# KiCad board OpenPLC_Hardware.kicad_pcb (continued)
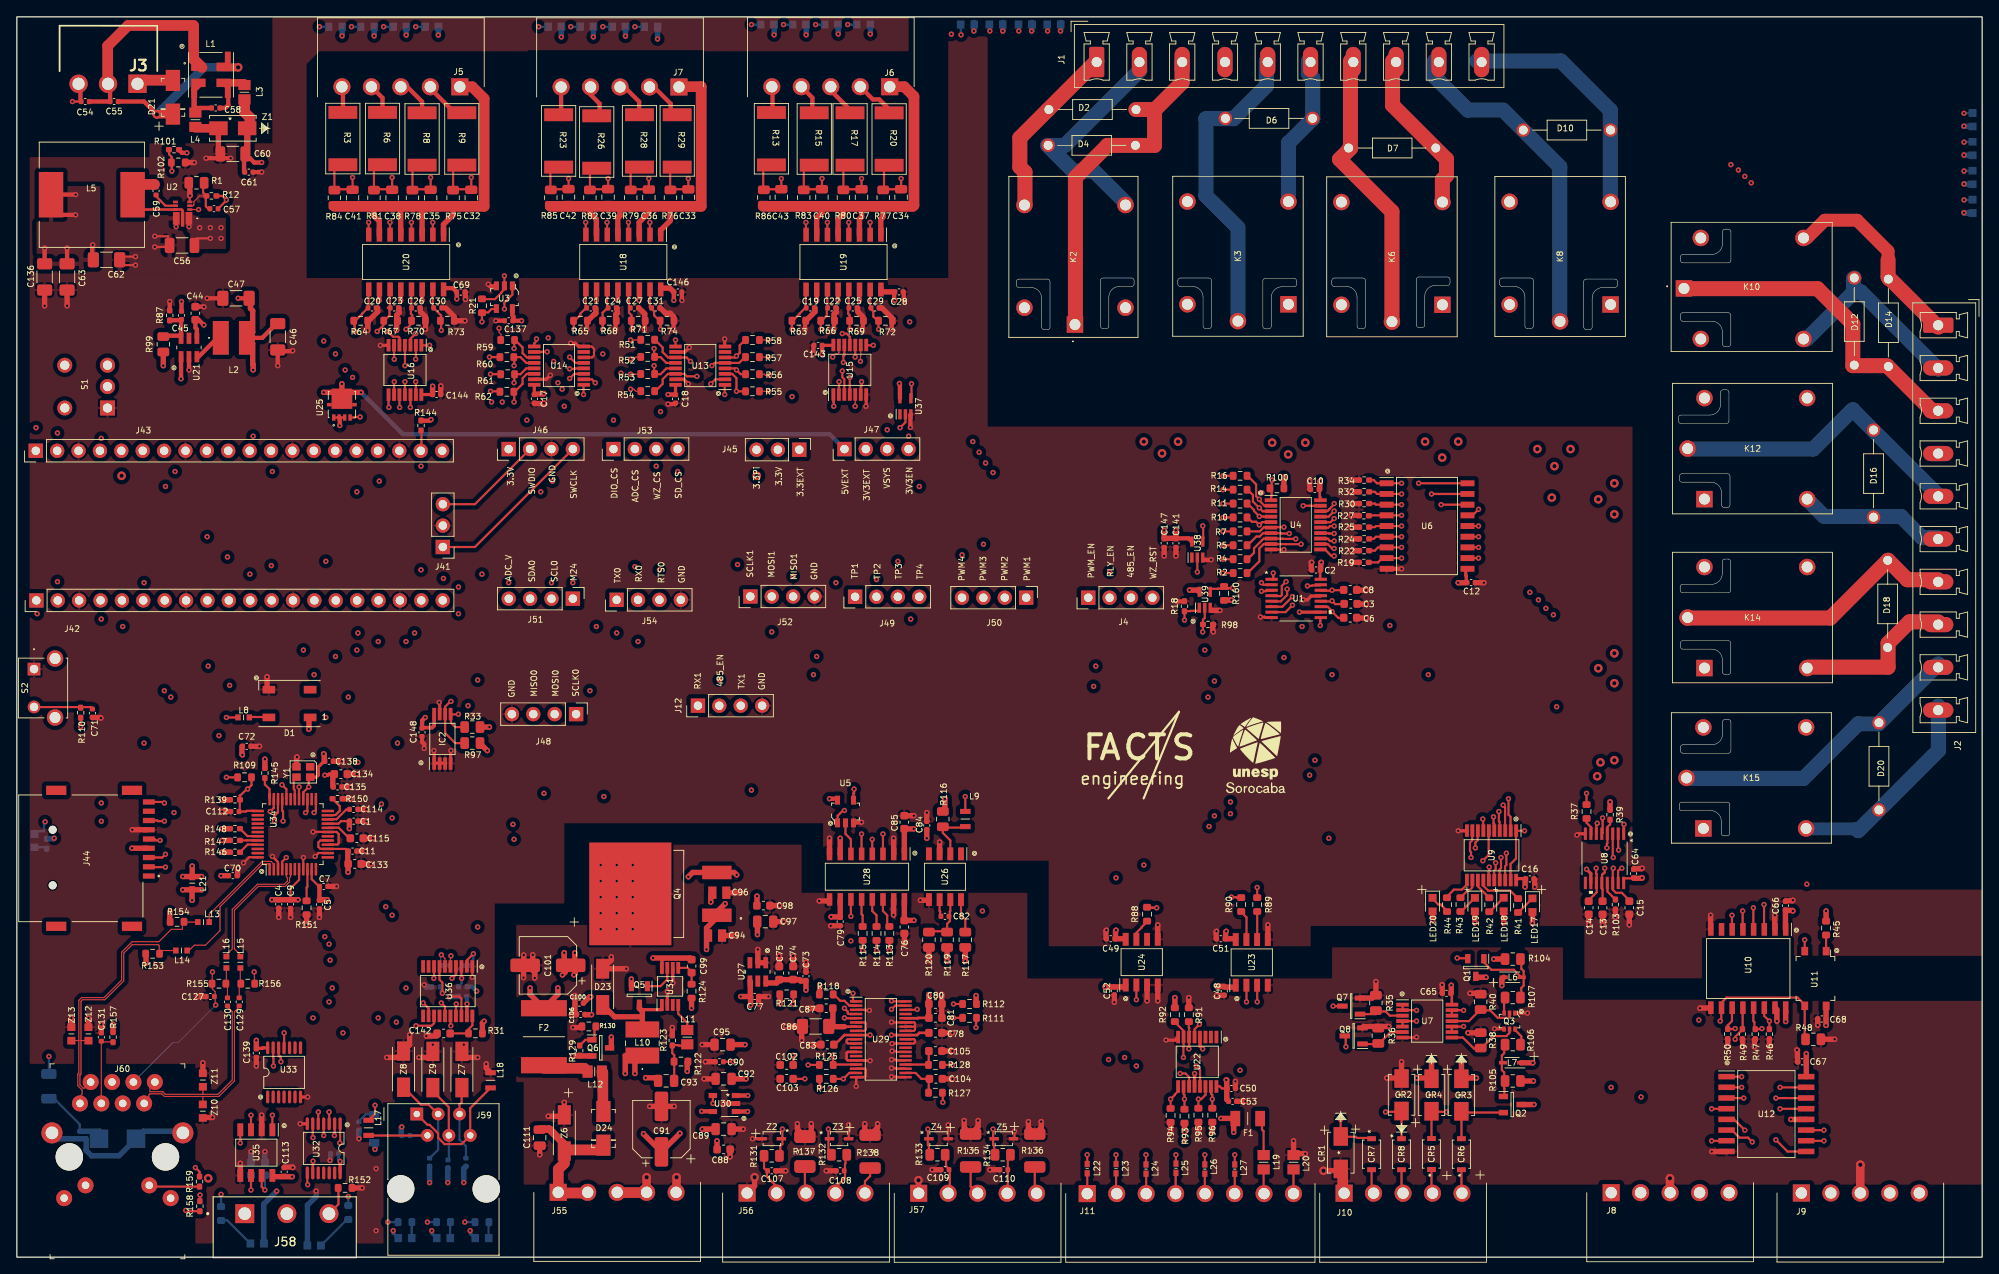
[diagram p0: board, top side]
## Routing (per net, layer and track width the routed paths; a pad name or vN(x,y) marks a point on that pad's centre or on a via; arc(x,y) is an arc through that point) (continued)
Net-(C59-Pad2): length 12.1
  Top w0.305: 13.64,125.19 13.64,124.43 19.55,124.43 19.68,124.3 19.68,123.27
  Top w1.27: 16.36,127.42 14.99,127.42 13.64,126.07 13.64,125.19
Net-(C71-Pad1): length 7
  Top w0.254: 8.97,65.24 8.87,65.34 2.05,65.34 S2.2
Net-(C82-Pad1): length 1.9
  Top w0.254: 109.66,40.48 109.66,41.06 109.6,41.12 109.6,42.31
Net-(C82-Pad2): length 5.9
  Top w0.254: 110.87,42.31 110.87,41.12 110.8,41.06 110.8,39.91 110.49,39.59 110.49,38.71 108.33,38.71
Net-(C86-Pad2): length 5.6
  Top w0.305: 98.3,27.38 99.71,27.38
  Top w0.635: 98.3,27.38 96.67,27.38 96.64,27.4 ; 96.64,27.4 96.92,27.4 96.92,29.56 ; 96.64,27.4 96.58,27.4
Net-(C90-Pad1): length 8
  Top w0.254: 84.01,23.21 v1(85.09,23.21) ; v1(82.67,18.26) 82.67,19.2
  In3.Cu w0.254: v1(85.09,23.21) 83.82,21.94 83.82,19.4 v1(82.67,18.26)
Net-(C93-Pad2): length 6.1
  Top w0.254: 79.63,25.12 78.61,25.12 78.55,25.18 77.85,25.18 77.85,24.23 78.08,24 78.08,20.96 C93.2
Net-(C99-Pad2): length 3.3
  Top w0.254: 80.14,32.39 80.14,33.89 79.67,34.36 U31.5
Net-(C100-Pad1): length 20.2
  Top w0.381: 76.62,33.79 76.62,35.28 76.78,35.44 80.14,35.44
  Top w0.635: v1(68.26,28.8) 67.53,28.8 67.51,28.82 ; 80.14,35.44 C99.1 79.95,35.53 v1(75.56,35.53) ; 65.02,35.7 v1(65.02,36.15) 65.02,34.88 ; v1(66.27,36.14) 66.27,34.87 66.06,34.66 66.02,34.66 ; C100.1 68.03,30.93 v1(68.17,30.93) ; v1(72.99,33.03) Q5.2 ; v1(64.8,33.52) 65.11,33.83 65.11,34.32 ; v1(80.13,29.56) R124.1 ; v1(70.61,26.13) 70.61,24.89 ; 66.33,34.28 66.33,33.69 v1(66.17,33.53)
Net-(C107-Pad1): length 5.1
  Top w0.254: 90.23,7.56 90.23,8.41 89.12,9.52 ; 89.09,9.56 89.09,10.26 89.06,10.26 88.75,10.57 R131.2
Net-(C108-Pad1): length 5.1
  Top w0.254: 98.42,12.16 98.42,11.15 98.36,11.08 98.36,9.43 97.23,8.3 97.23,7.56
Net-(C109-Pad1): length 4.9
  Top w0.254: 110.61,7.55 110.8,7.74 110.8,10.38 110.78,10.38 110.36,10.8 110.36,12.16
Net-(C110-Pad1): length 4.8
  Top w0.254: 117.61,7.55 117.7,7.64 117.7,11.75 118.11,12.16
Net-(C111-Pad1): length 18
  Top w0.889: 62.1,15.21 63.24,15.21 65.02,13.43 65.02,12.74
  Top w1.27: 69.72,12.85 69.6,12.74 65.02,12.74 65.02,11.15 64.31,10.44 64.31,7.62 67.72,7.62 J55.2
Net-(C114-Pad1): length 2.9
  Top w0.254: 39.43,53.18 39.4,53.16 39.11,53.16 37.97,52.01 37.01,52.01
Net-(C115-Pad1): length 3.1
  Top w0.254: 39.6,49.75 39.48,49.75 38.22,51.01 37.01,51.01
Net-(C116-Pad2): length 4.2
  Top w0.254: 50.2,34.51 50.2,32.95 50.54,32.61 v1(50.54,31.34)
  Bottom w0.254: 50.35,32.1 50.35,31.53 v1(50.54,31.34)
Net-(C117-Pad2): length 2.6
  Top w0.254: 52.8,34.51 52.8,33.12 v1(52.83,33.12)
  Bottom w0.254: 52.41,32.1 52.83,32.52 v1(52.83,33.12)
Net-(C119-Pad1): length 2.5
  Top w0.127: v1(51.56,35.78) 51.5,35.78 51.5,34.51
  Bottom w0.127: 51.5,34.64 51.5,35.72 v1(51.56,35.78)
Net-(C119-Pad2): length 2.9
  Top w0.127: 50.85,34.51 50.85,35.48 v1(50.42,35.91)
  Bottom w0.127: v1(50.42,35.91) 50.35,35.91 50.35,34.64
Net-(C120-Pad1): length 3.3
  Top w0.254: 53.45,34.51 53.45,35.27 v1(54.23,36.04)
  Bottom w0.254: 54.04,34.64 54.04,35.21 54.23,35.4 v1(54.23,36.04)
Net-(C120-Pad2): length 3.6
  Top w0.254: 52.15,34.51 52.15,33.59 v1(51.69,33.12)
  Bottom w0.254: 52.89,34.64 52.87,34.64 52.19,33.97 52.19,33.63 v1(51.69,33.12)
Net-(C121-Pad1): length 6.4
  Top w0.254: v1(27.81,7.97) 27.81,9.55
  In3.Cu w0.127: 27.08,5.17 27.08,7.24 v1(27.81,7.97)
  Bottom w0.127: v1(27.81,7.97) 27.81,9.72
Net-(C122-Pad1): length 23
  Top w0.254: 52.15,28.67 52.15,30.03 v1(52.19,30.07) ; 52.58,16.99 52.58,18.13 52.83,18.39 52.83,19.72
  In3.Cu w0.254: v1(52.19,30.07) 52.19,22.7 52.58,22.32 52.58,16.99
  Bottom w0.254: 52.58,16.99 52.58,13.94 53.34,13.18 C122.1
Net-(C123-Pad1): length 7.2
  Top w0.254: 29.08,9.55 29.08,8.35 v1(29.46,7.97)
  In2.Cu w0.127: v1(29.46,7.97) 32.08,5.35
  Bottom w0.254: v1(29.46,7.97) 29.46,9.72
Net-(C124-Pad1): length 23.4
  Top w0.254: v1(51.55,27.49) 51.5,27.53 51.5,28.67 ; 50.03,16.99 48.89,18.13 47.98,18.13 Z8.1
  In3.Cu w0.254: 50.03,16.99 50.03,21.56 51.56,23.08 51.56,27.48 v1(51.55,27.49)
  Bottom w0.254: 50.03,16.99 50.03,12.77 C124.1
Net-(C125-Pad1): length 30.9
  Top w0.254: v1(49.53,33.12) 49.55,33.14 49.55,34.51 ; 51.3,14.45 51.3,17.82 49.4,19.72
  In3.Cu w0.254: 51.3,14.45 50.29,15.46 50.03,15.46 49.02,16.48 49.02,21.56 50.16,22.7 50.16,29.56 49.53,30.2 v1(49.53,33.12)
  Bottom w0.254: C125.1 51.3,11.64 51.3,14.45
Net-(C126-Pad1): length 5.4
  Top w0.254: L17.2 42.54,17.02 v1(42.54,18.04)
  Bottom w0.254: v1(42.54,18.04) 42.54,17 42.53,16.99 41.46,16.99 40.64,16.16
Net-(C127-Pad1): length 24
  Top w0.127: v1(28.19,33.88) 28.22,33.85 28.22,32.48 ; v1(23.62,29.94) 23.56,30.01 23.56,31.53 23.21,31.87 23.21,33.85 v1(23.24,33.88)
  In2.Cu w0.127: v1(23.24,33.88) v1(28.19,33.88)
  Bottom w0.127: 13.84,20.8 18.54,25.5 19.17,25.5 v1(23.62,29.94)
Net-(C128-Pad1): length 9
  Top w0.254: 48.77,14.45 41.79,14.45 L17.1
  Bottom w0.254: 46.8,14.45 48.77,14.45
Net-(C129-Pad1): length 22.3
  Top w0.127: 26.41,29.75 26.41,29.73 25.84,29.16 25.84,20.94 23.99,19.08 22.1,19.08 ; 22.1,19.08 22.09,19.08 22.09,18.16 ; 22.1,19.08 17.53,19.08 17.22,19.4 15.81,19.4 15.68,19.27 15.68,18.83 15.1,18.26
Net-(C129-Pad2): length 3.6
  Top w0.127: 26.54,32.48 26.41,32.48 26.41,30.9 ; 26.54,32.48 26.54,34.24 ; 26.54,32.48 26.64,32.48
Net-(C130-Pad1): length 21.9
  Top w0.127: 22.1,19.34 17.64,19.34 17.32,19.66 15.81,19.66 15.81,20.22 16.38,20.8 ; 22.1,19.34 22.09,19.35 22.09,20.27 ; 22.1,19.34 23.88,19.34 25.59,21.04 25.59,29.16 25.02,29.73 25.02,29.75
Net-(C130-Pad2): length 3.5
  Top w0.127: 25.02,30.9 25.02,32.25 24.79,32.48 24.89,32.58 24.89,34.24
Net-(C131-Pad1): length 8.7
  Top w0.127: 11.43,25.56 10.03,25.56 10.03,18.26
Net-(C132-Pad1): length 8.9
  Bottom w0.254: 3.81,18.58 4.67,18.58 7.46,15.79 7.46,14.96
  Bottom w0.635: 7.46,14.96 7.46,14.96 9.84,14.96 9.84,14.07
Net-(C142-Pad2): length 4.5
  Top w0.254: 54.1,28.67 54.1,27.54 53.64,27.08 R31.2 51.47,26.58 C142.2
Net-(CR5-Pad1): length 3.5
  Top w0.254: 168.02,6.7 168.02,10.16
Net-(CR6-Pad1): length 3.4
  Top w0.254: 171.57,6.76 171.57,10.16
Net-(CR7-Pad2): length 3.4
  Top w0.254: 160.91,6.73 160.91,10.16
Net-(CR8-Pad2): length 3.5
  Top w0.254: 164.46,6.68 164.46,10.16
Net-(D1-Pad4): length 2.4
  Top w0.254: 30.06,64.16 27.76,64.16 27.71,64.11
Net-(D2-Pad1): length 20.9
  Top w1.778: 128.27,142.08 119.12,132.94 119.12,129.49 119.73,128.88 119.73,125.19
Net-(D2-Pad2): length 41.8
  Top w1.778: 125.73,110.99 125.73,128.24 129.54,132.05 135.12,132.05 135.12,136.24 138.39,139.51 138.39,142.08 ; 132.9,136.31 135.08,136.31
Net-(D4-Pad1): length 27.9
  Bottom w1.778: 131.72,125.19 127.91,129 125.47,129 122.43,132.05 124.48,132.05 133.37,140.94 133.37,142.06
Net-(D6-Pad1): length 18.2
  Bottom w1.778: 151.03,125.32 151.03,132.33 153.92,135.23 153.92,140.05 153.39,140.58 153.39,142.08
Net-(D6-Pad2): length 37.4
  Bottom w1.778: 145.03,111.12 145.03,122.27 141.22,126.08 141.22,135.23 144.52,135.23 148.39,139.1 148.39,142.08
Net-(D7-Pad1): length 19.6
  Top w1.778: 163.39,142.08 163.39,136.81 169.8,130.41 169.8,128.47 169.31,127.99 169.31,125.32
Net-(D7-Pad2): length 34.1
  Top w1.778: 163.32,111.12 163.32,124.18 157.1,130.4 158.39,131.7 158.39,142.08
Net-(D10-Pad1): length 29.2
  Bottom w1.778: 189.25,125.32 189.25,136.22 183.38,142.08 173.39,142.08
Net-(D10-Pad2): length 39.6
  Bottom w1.778: 183.26,111.12 183.26,129.51 176.53,136.24 172.34,136.24 168.39,140.18 168.39,142.08
Net-(D12-Pad1): length 23.4
  Bottom w1.778: 228.22,105.46 219.03,114.65 218.06,114.65 ; 212.59,109.04 218.06,114.5 ; D12.1 218.14,116.22 218.14,114.67
Net-(D12-Pad2): length 38.6
  Top w1.778: 222.25,105.76 227.55,100.46 228.22,100.46 ; 222.12,105.89 218.06,105.89 218.06,110.84 213.87,115.03 198.4,115.03
Net-(D14-Pad1): length 23.6
  Top w1.524: 212.59,121.03 214.73,123.16 218.56,123.16 222.25,119.48 222.25,118.46
  Top w1.778: 228.22,110.46 222.25,116.43 222.25,118.46
Net-(D16-Pad1): length 17.5
  Bottom w1.778: 212.62,90.01 214.65,87.98 223.77,87.98 226.29,85.46 228.22,85.46
Net-(D16-Pad2): length 36
  Bottom w1.524: 218.06,100.68 218.1,100.64 218.1,100.58
  Bottom w1.778: 198.4,95.98 213.36,95.98 218.06,100.68 ; 218.1,100.58 228.22,90.46
Net-(D18-Pad1): length 19.6
  Top w1.524: 212.59,69.92 212.75,70.07
  Top w1.778: 212.75,70.07 222.25,70.07 222.25,72.92 224.79,75.46 228.22,75.46
Net-(D18-Pad2): length 33.6
  Top w1.778: 228.22,80.46 224.53,80.46 222.25,82.77 215.39,75.92 198.4,75.92
Net-(D20-Pad1): length 25.1
  Bottom w1.524: 212.47,50.87 218.46,50.87 218.69,50.64
  Bottom w1.778: 218.69,50.64 228.22,60.17 228.22,65.46
Net-(D20-Pad2): length 35.6
  Bottom w1.778: 228.22,70.46 221.1,63.34 218.69,63.34 212.21,56.87 198.27,56.87
Net-(D21-PadA): length 3.8
  Top w1.27: 14.76,139.8 18.51,139.8 18.54,139.77
Net-(D23-Pad1): length 10.8
  Top w0.381: 74.29,29.19 74.49,29.39 76.62,29.39
  Top w0.635: D23.1 70.99,28.55 74.29,28.55 ; Q5.3 73.94,29.55 74.29,29.19 74.29,28.55 ; L10.2 74.29,28.55
Net-(D24-PadA): length 4.3
  Top w1.27: L12.2 69.59,21.94 69.59,19.98 ; 69.6,17.57 69.6,19.78
Net-(F1-Pad2): length 4.3
  Top w0.254: 147.89,16.48 147.89,15.15 148.08,14.96 148.08,12.29
Net-(F2-Pad2): length 5.3
  Top w1.27: 62.61,22.43 67.4,22.43 L12.1
Net-(J4-Pad1): length 121
  Top w0.254: 189.23,51.98 189.23,51.41 188.91,51.09 188.91,49.18 188.85,49.12 v1(188.85,48.61) ; v1(179.07,50.64) 178.06,50.64 178.06,47.35 177.41,46.7 177.41,44.8 ; 212.34,36.37 v1(212.34,37.69)
  In2.Cu w0.254: v1(155.83,49.75) 165.22,49.75 166.75,51.28 172.84,51.28 173.48,50.64 v1(179.07,50.64) 183.13,50.64 185.16,48.61 v1(188.85,48.61) 189.23,48.99 190.5,48.99 191.64,47.85 191.64,45.56 192.91,44.29 v1(212.59,44.29)
  In3.Cu w0.254: v1(212.59,44.29) 212.59,42.52 212.34,42.26 v1(212.34,37.69) ; J4.1 v1(155.83,49.75)
Net-(J5-Pad2): length 4.9
  Top w0.508: 52.83,136.05 51.88,136.05 49.11,138.82
Net-(J5-Pad3): length 4.4
  Top w0.508: J5.3 46.36,139.01 48.13,137.24 48.13,136.05
Net-(J5-Pad4): length 3.5
  Top w0.508: J5.4 43.43,137.69 43.43,136.05
Net-(J5-Pad5): length 2.8
  Top w0.508: 38.73,136.05 38.73,138.89
Net-(J6-Pad2): length 4.9
  Top w0.508: J6.2 101.68,137.51 102.42,137.51 103.88,136.05
Net-(J6-Pad3): length 4
  Top w0.508: 99.18,136.05 96.67,138.57 J6.3
Net-(J6-Pad4): length 3.5
  Top w0.508: 94.48,136.05 94.48,137.7 J6.4
Net-(J6-Pad5): length 3
  Top w0.508: J6.5 89.76,138.93 89.76,136.05
Net-(J7-Pad2): length 5.4
  Top w0.254: 77.66,135.92 78.61,135.92
  Top w0.508: J7.2 75.66,138.99 77.66,137 77.66,135.92
Net-(J7-Pad3): length 4.3
  Top w0.508: J7.3 72.16,138.99 73.91,137.24 73.91,135.92
Net-(J7-Pad4): length 3.5
  Top w0.508: J7.4 68.14,138.08 69.21,137 69.21,135.92
Net-(J7-Pad5): length 3.1
  Top w0.508: 64.51,135.92 64.64,136.05 J7.5
Net-(J8-Pad1): length 30.8
  Top w0.254: 203.07,20.16 v1(204.85,20.16)
  In2.Cu w0.254: v1(189.35,20.16) v1(204.85,20.16)
  In3.Cu w0.254: 189.35,6.66 v1(189.35,20.16)
Net-(J8-Pad2): length 26.7
  Top w0.254: 203.07,18.89 v1(205.1,18.89)
  In2.Cu w0.254: v1(205.1,18.89) 199.01,18.89 198.88,19.02 v1(192.91,19.02)
  In3.Cu w0.254: 192.85,6.66 192.85,14.52 192.91,14.58 v1(192.91,19.02)
Net-(J8-Pad4): length 21.2
  Top w0.254: v1(208.91,18.89) 212.47,18.89
  In3.Cu w0.254: 199.85,6.66 199.85,9.37 202.39,11.91 205.23,11.91 207.39,14.07 207.39,16.73 208.91,18.26 v1(208.91,18.89)
Net-(J8-Pad5): length 16.5
  Top w0.254: v1(209.42,17.62) 212.47,17.62
  In3.Cu w0.254: v1(209.42,17.62) 207.9,16.1 207.9,13.91 203.35,9.37 203.35,6.66
Net-(J9-Pad1): length 14
  Top w0.254: 203.07,15.08 203.7,15.08 204.59,14.19 205.61,14.19 v1(206.12,13.69)
  In2.Cu w0.254: 211.96,6.66 211.96,9.37 210.18,11.15 208.66,11.15 v1(206.12,13.69)
Net-(J9-Pad2): length 18
  Top w0.254: 203.07,16.35 203.96,16.35 v1(205.23,15.08)
  In2.Cu w0.254: v1(205.23,15.08) 205.86,14.45 206.88,14.45 209.29,12.04 212.79,12.04 215.46,9.37 215.46,6.66
Net-(J9-Pad4): length 15.8
  Top w0.254: 212.47,13.81 v1(214.63,13.81)
  In2.Cu w0.254: 222.46,6.66 222.46,11.57 220.22,13.81 v1(214.63,13.81)
Net-(J9-Pad5): length 18.6
  Top w0.254: 212.47,15.08 v1(214.63,15.08)
  In2.Cu w0.254: 225.96,6.66 225.96,9.37 220.25,15.08 v1(214.63,15.08)
Net-(J11-Pad1): length 2.4
  Top w0.254: 127.12,9.94 127.13,9.93 J11.1
Net-(J11-Pad2): length 2.3
  Top w0.254: 130.55,7.63 130.55,9.94
Net-(J11-Pad3): length 2.4
  Top w0.254: J11.3 134.13,9.92
Net-(J11-Pad4): length 2.4
  Top w0.254: J11.4 137.63,9.91 137.66,9.94
Net-(J11-Pad5): length 2.4
  Top w0.254: 141.09,9.94 141.09,7.59 J11.5
Net-(J11-Pad6): length 2.4
  Top w0.254: J11.6 144.65,7.57 144.65,9.94
Net-(J11-Pad7): length 2.7
  Top w0.254: J11.7 148.08,7.6 148.08,10.26
Net-(J11-Pad8): length 4.6
  Top w0.254: 151.63,10.26 151.63,10.77 151.62,10.75 151.62,6.66
Net-(J43-Pad1): length 43
  Top w0.254: v1(40.76,99.79) 40.13,99.79 40.06,99.73 39.58,99.73
  In2.Cu w0.127: v1(2.28,98.52) 8,98.52 9.01,99.54 36.45,99.54 36.7,99.79 v1(40.76,99.79)
  In3.Cu w0.127: 2.34,95.78 2.34,97.33 2.28,97.38 v1(2.28,98.52)
Net-(J43-Pad2): length 105.8
  Top w0.254: U25.3 U25.2 U25.1
  Top w0.508: U25.2 38.35,99.67 v1(38.35,98.78)
  In2.Cu w0.381: v1(103.38,98.27) 102.87,98.27 102.36,98.78 v1(38.35,98.78) 9.52,98.78 8.63,97.89 v1(4.82,97.89)
  In3.Cu w0.381: v1(4.82,97.89) 4.82,97.13 4.88,97.07 4.88,95.78 ; 103.38,95.98 v1(103.38,98.27)
Net-(J43-Pad4): length 99.5
  In2.Cu w0.127: v1(105.91,97.51) 102.87,97.51 102.23,98.14 11.94,98.14 11.05,97.25 v1(10.03,97.25)
  In3.Cu w0.127: 9.96,95.78 9.96,96.67 10.03,96.74 v1(10.03,97.25) ; 105.91,95.98 v1(105.91,97.51)
Net-(J43-Pad5): length 82.2
  In2.Cu w0.635: v2(12.44,92.81) 15.74,92.81 16,92.55 36.57,92.55 36.95,92.93 64.39,92.93 65.02,92.3 82.67,92.3 83.18,92.81 v2(87.88,92.81)
  In3.Cu w0.635: 12.5,95.78 12.5,94.13 12.44,94.08 v2(12.44,92.81) ; v2(87.88,92.81) 87.88,95.86
Net-(J56-Pad3): length 3.3
  Top w0.254: 93.6,10.83 93.6,7.69 93.73,7.56
Net-(J56-Pad5): length 3.5
  Top w0.254: 101.34,10.83 101.34,9.62 100.73,9.01 100.73,7.56
Net-(J57-Pad3): length 3.7
  Top w0.254: 114.11,7.55 113.28,8.38 113.28,10.96
Net-(J57-Pad5): length 3.5
  Top w0.254: 121.11,7.55 120.9,7.76 120.9,10.96
Net-(J58-Pad3): length 3.5
  Top w0.254: 37.08,5.17 38.2,6.29 38.2,8.23
Net-(J59-Pad1): length 15.2
  Top w0.254: 47.5,16.99 48.77,15.72 49.02,15.72 50.03,14.7 50.03,14.19 50.8,13.43 52.83,13.43 53.84,14.45 53.84,17.69 L18.1
Net-(J60-PadL1): length 6
  Top w0.254: J60.L1 15.88,8.38 R159.1
Net-(J60-PadL3): length 14.9
  Top w0.254: v1(20.06,5.56) 20.16,5.46 R158.1
  In2.Cu w0.254: 7.84,7.85 10.13,5.56 v1(20.06,5.56)
Net-(J60-PadR1): length 33.8
  Top w0.127: 19.67,38.94 19.67,39.89 ; 7.36,25.73 7.36,21.87 7.24,21.74 7.24,20.37 7.75,19.85 7.75,19.35 7.48,19.08 7.48,18.26 ; 7.36,25.73 6.47,25.73 ; 7.36,25.73 7.36,30.5 7.69,30.83 10.36,30.83 12.44,32.92 12.44,36.22 13.69,37.47 16.69,37.47 ; 18.35,38.95 16.87,37.47 16.6,37.47 ; 18.35,38.94 19.67,38.94 ; 19.91,39.8 21.38,39.8
Net-(J60-PadR2): length 29.6
  Top w0.127: 8.77,20.8 8.04,20.08 7.88,20.08 7.49,20.47 7.49,21.64 7.62,21.76 7.62,25.73 ; 18.77,36.42 17.29,36.42 16.91,36.04 16.91,36.99 16.79,37.12 13.7,37.12 12.7,36.11 12.7,32.81 10.46,30.58 7.8,30.58 7.62,30.4 7.62,25.73 ; 7.62,25.73 8.51,25.73
Net-(J60-PadSH): length 18.5
  Bottom w0.635: 19.52,14.96 15.05,14.96 14.16,14.07 ; J60.SH 4.86,14.07 8.22,14.07 8.22,12.69 8.86,12.04 12.13,12.04 Z14.2
Net-(K2-Pad4): length 66.6
  Top w0.254: v1(166.49,91.92) 172.08,91.92
  In3.Cu w0.254: v1(166.49,91.92) 160.14,98.27 124.97,98.27 119.73,103.5 119.73,113
Net-(K3-Pad4): length 48.3
  Top w0.254: v1(168.02,90.65) 172.08,90.65
  In3.Cu w0.254: 139.04,113.13 139.04,104.36 143.86,99.54 160.53,99.54 168.02,92.05 v1(168.02,90.65)
Net-(K6-Pad4): length 31.6
  Top w0.254: v1(169.16,89.38) 172.08,89.38
  In3.Cu w0.254: 157.32,113.13 157.32,103.76 169.16,91.92 v1(169.16,89.38)
Net-(K8-Pad4): length 27.6
  Top w0.254: 172.08,88.11 172.89,88.11 v1(173.61,88.82)
  In3.Cu w0.254: v1(173.61,88.82) 173.61,98.4 177.26,102.05 177.26,113.13
Net-(K10-Pad4): length 72.7
  Top w0.254: 172.08,86.84 v1(173.61,86.84)
  In3.Cu w0.127: 200.4,121.03 196.11,121.03 193.8,118.72 193.8,98.4 183,87.6 183,75.79 182.5,75.28 181.99,75.28 178.56,78.71 178.56,81.89 v1(173.61,86.84)
Net-(K12-Pad4): length 52.7
  Top w0.254: 172.08,85.57 v1(173.61,85.57)
  In3.Cu w0.127: v1(173.61,85.57) 178.05,81.12 178.05,78.46 181.86,74.65 182.5,74.65 183.51,75.66 183.51,87.62 197.87,101.98 200.4,101.98
Net-(K14-Pad4): length 36.8
  Top w0.254: 172.08,84.3 v1(173.61,84.3)
  In3.Cu w0.127: v1(173.61,84.3) 177.54,80.36 177.54,78.33 181.61,74.27 182.75,74.27 190.4,81.91 200.4,81.91
Net-(K15-Pad4): length 37.5
  Top w0.254: 172.08,83.03 v1(173.61,83.03)
  In3.Cu w0.127: v1(173.61,83.03) 177.03,79.6 177.03,77.95 181.23,73.76 189.38,73.76 199.36,63.77 200.28,62.86
Net-(L2-Pad1): length 3.5
  Top w0.508: 21.38,106.75 23.83,109.19
Net-(L6-Pad2): length 10.7
  Top w0.254: 174.3,35.51 174.3,34.96 175.13,34.13 177.8,34.13 178.69,33.24 178.97,33.24 ; 178.69,30.83 178.69,31.97 178.97,32.25 178.97,33.24 ; 178.97,33.24 178.97,33.98 178.69,34.26 178.69,35.4
Net-(L7-Pad2): length 6.4
  Top w0.254: 176.68,19.08 176.68,20.01 176.65,20.04 176.65,21.94 176.37,22.22 176.37,23.95 176.65,24.23 176.65,25.24
Net-(L9-Pad2): length 6.1
  Top w0.254: 110.87,48.05 110.87,49.5 109.98,50.39 R116.2 110.07,51.02 112.65,51.02
Net-(L11-Pad2): length 3.3
  Top w0.254: U31.4 78.55,28.9 79.63,27.83 79.63,27.15
Net-(L22-Pad1): length 26.8
  Top w0.254: 127.12,11.08 v1(127.12,12.16) ; v1(139.2,24.74) 139.2,24.92 139.23,24.95 139.23,27.24 139.19,27.28 139.19,28.01
  In2.Cu w0.254: v1(129.66,23.47) 130.93,24.74 v1(139.2,24.74)
  In3.Cu w0.254: v1(129.66,23.47) 129.66,19.91 127.12,17.37 v1(127.12,12.16)
Net-(L23-Pad1): length 24.8
  Top w0.254: v1(138.55,23.72) 138.55,24.99 138.58,25.02 138.58,26.87 137.54,27.91 137.54,28.01 ; 130.55,11.08 v1(130.55,12.16)
  In2.Cu w0.254: v1(131.57,23.72) v1(138.55,23.72)
  In3.Cu w0.254: v1(130.55,12.16) 130.55,18.26 131.57,19.27 v1(131.57,23.72)
Net-(L24-Pad1): length 14.5
  Top w0.254: 134.11,11.08 v1(134.11,12.16) ; 138.58,20.29 138.58,19.38 138.68,19.27 v1(138.68,18.77) 138.68,17.65
  In2.Cu w0.254: v1(134.11,12.16) 135.63,13.81 v1(138.68,13.81)
  In3.Cu w0.254: v1(138.68,13.81) 138.05,14.45 138.05,16.35 138.68,16.99 v1(138.68,18.77)
Net-(L25-Pad1): length 11
  Top w0.254: 137.93,20.29 137.93,19.72 137.54,19.33 137.54,19.27 v1(137.03,18.77) 137.03,17.65 ; 137.66,11.08 v1(137.66,12.16)
  In3.Cu w0.254: v1(137.03,18.77) 137.03,16.99 137.66,16.35 v1(137.66,12.16)
Net-(L26-Pad1): length 11.2
  Top w0.254: 141.09,11.08 v1(141.09,12.16) ; 141.18,20.29 141.18,19.28 140.67,18.77 v1(140.33,18.77) 140.33,17.65
  In3.Cu w0.254: v1(141.09,12.16) 141.09,16.23 140.33,16.99 v1(140.33,18.77)
Net-(L27-Pad1): length 11.5
  Top w0.254: 141.83,20.29 141.83,19.43 141.98,19.27 v1(141.98,18.77) 141.98,17.65 ; 144.65,11.08 v1(144.65,12.16)
  In3.Cu w0.254: v1(141.98,18.77) 141.98,16.48 143.13,15.34 143.13,13.69 v1(144.65,12.16)
Net-(LED2-Pad1): length 133.4
  Top w0.254: v1(143.25,81.25) 144.5,81.25
  In2.Cu w0.127: v1(182.5,76.3) 165.6,76.3 162.05,79.85 153.92,79.85 151.89,81.89 147.82,81.89 147.19,81.25 v1(143.25,81.25)
  In2.Cu w0.254: v1(231.26,125.57) 222.63,125.57 220.6,127.61 v1(205.99,127.61)
  In3.Cu w0.127: v1(182.5,76.3) 182.5,87.47 193.54,98.52 193.54,118.84 202.31,127.61 v1(205.99,127.61)
  Bottom w0.254: 232.28,125.6 231.26,125.6 v1(231.26,125.57)
Net-(LED3-Pad1): length 131.9
  Top w0.254: v1(143.25,82.9) 144.5,82.9
  In2.Cu w0.127: v1(143.25,82.9) 143.76,82.39 152.02,82.39 154.05,80.36 162.56,80.36 165.86,77.06 v1(181.61,77.06)
  In2.Cu w0.254: v1(231.26,129) 216.66,129 216.02,128.37 v1(205.23,128.37)
  In3.Cu w0.127: v1(181.61,77.06) 181.61,86.97 193.29,98.65 193.29,118.97 202.69,128.37 v1(205.23,128.37)
  Bottom w0.254: 232.28,129.03 231.26,129.03 v1(231.26,129)
Net-(LED6-Pad1): length 132.3
  Top w0.254: v1(143.25,84.55) 144.5,84.55
  In2.Cu w0.127: v1(180.72,78.08) 165.6,78.08 162.81,80.87 154.18,80.87 152.14,82.9 147.95,82.9 146.3,84.55 v1(143.25,84.55)
  In2.Cu w0.254: v1(204.47,129.13) 214.75,129.13 218.06,132.43 v1(231.26,132.43)
  In3.Cu w0.127: v1(204.47,129.13) 203.07,129.13 193.04,119.1 193.04,98.78 180.72,86.46 v1(180.72,78.08)
  Bottom w0.254: 232.28,132.46 231.26,132.46 v1(231.26,132.43)
Net-(LED8-Pad1): length 132.8
  Top w0.254: v1(143.25,86.2) 144.5,86.2
  In2.Cu w0.127: v1(179.7,78.96) 165.48,78.96 163.06,81.38 154.18,81.38 152.27,83.28 148.46,83.28 145.54,86.2 v1(143.25,86.2)
  In2.Cu w0.254: v1(203.58,129.76) 213.48,129.76 219.45,135.86 v1(231.26,135.86)
  In3.Cu w0.127: v1(179.7,78.96) 180.21,79.47 180.21,86.33 192.78,98.9 192.78,119.22 203.32,129.76 v1(203.58,129.76)
  Bottom w0.254: v1(231.26,135.86) 231.26,135.89 232.28,135.89
Net-(LED10-Pad1): length 91
  Top w0.254: v1(143.25,87.85) 144.5,87.85
  In2.Cu w0.254: v1(143.25,87.85) 131.82,87.85 126.49,93.19 v1(115.95,93.19)
  In3.Cu w0.127: v1(115.95,93.19) 115.95,97.13 114.81,98.27 114.81,143.35 115.95,144.5 120.52,144.5 121.66,145.64 v1(122.43,145.64)
  Bottom w0.254: 122.4,146.66 122.4,145.64 v1(122.43,145.64)
Net-(LED11-Pad1): length 88
  Top w0.254: v1(143.25,89.51) 144.5,89.51
  In2.Cu w0.254: v1(143.25,89.51) 132.2,89.51 127.38,94.33 v1(115.06,94.33)
  In3.Cu w0.127: v1(115.06,94.33) 115.06,97.25 113.79,98.52 113.79,142.97 115.69,144.88 117.47,144.88 118.23,145.64 v1(119,145.64)
  Bottom w0.254: 118.97,146.66 118.97,145.64 v1(119,145.64)
Net-(LED14-Pad1): length 84.8
  Top w0.254: v1(143.25,91.16) 144.5,91.16
  In2.Cu w0.254: v1(114.3,95.6) 128.52,95.6 132.97,91.16 v1(143.25,91.16)
  In3.Cu w0.127: v1(114.3,95.6) 114.3,97.38 112.9,98.78 112.9,142.97 v1(115.57,145.64)
  Bottom w0.254: v1(115.57,145.64) 115.54,145.64 115.54,146.66
Net-(LED15-Pad1): length 83
  Top w0.254: v1(143.25,92.81) 144.5,92.81
  In2.Cu w0.254: v1(113.53,96.87) 129.66,96.87 133.73,92.81 v1(143.25,92.81)
  In3.Cu w0.127: v1(113.53,96.87) 112.14,98.27 v1(112.14,145.18)
  Bottom w0.254: 112.11,146.66 112.11,145.21 v1(112.14,145.18)
Net-(LED17-Pad1): length 2.4
  Top w0.254: 178.34,40.94 LED17.1
Net-(LED18-Pad1): length 2.3
  Top w0.254: 174.94,41.03 LED18.1
Net-(LED19-Pad1): length 2.3
  Top w0.254: 171.54,41.05 LED19.1
Net-(LED20-Pad1): length 2.4
  Top w0.254: 169.8,41.09 169.8,41.2 169.11,41.88 168.83,41.88 168.15,42.57 168.15,42.67
Net-(LED21-Pad1): length 52.1
  Top w0.127: v1(72.89,108.94) 74.14,108.94
  In2.Cu w0.127: v1(63.12,109.19) 69.08,109.19 69.34,108.94 v1(72.89,108.94)
  In3.Cu w0.127: v1(61.97,146.15) 60.83,145 60.7,145 59.18,143.48 59.18,114.02 63.12,110.08 v1(63.12,109.19)
  Bottom w0.254: v1(61.97,146.15) 63.09,146.15
Net-(LED22-Pad1): length 57.9
  Top w0.127: v1(72.89,106.65) 73.28,106.65 73.53,106.9 74.14,106.9
  In2.Cu w0.127: v1(72.89,106.65) 69.34,106.65 69.08,106.4 v1(63.75,106.4)
  In3.Cu w0.127: v1(63.75,106.4) 63.75,110.08 59.56,114.27 59.56,143.48 60.83,144.75 61.34,144.75 62.73,146.15 v1(65.78,146.15)